# KiCad board main.kicad_pcb
title: Estoc; rev: 0.2; company: Austin Rognes
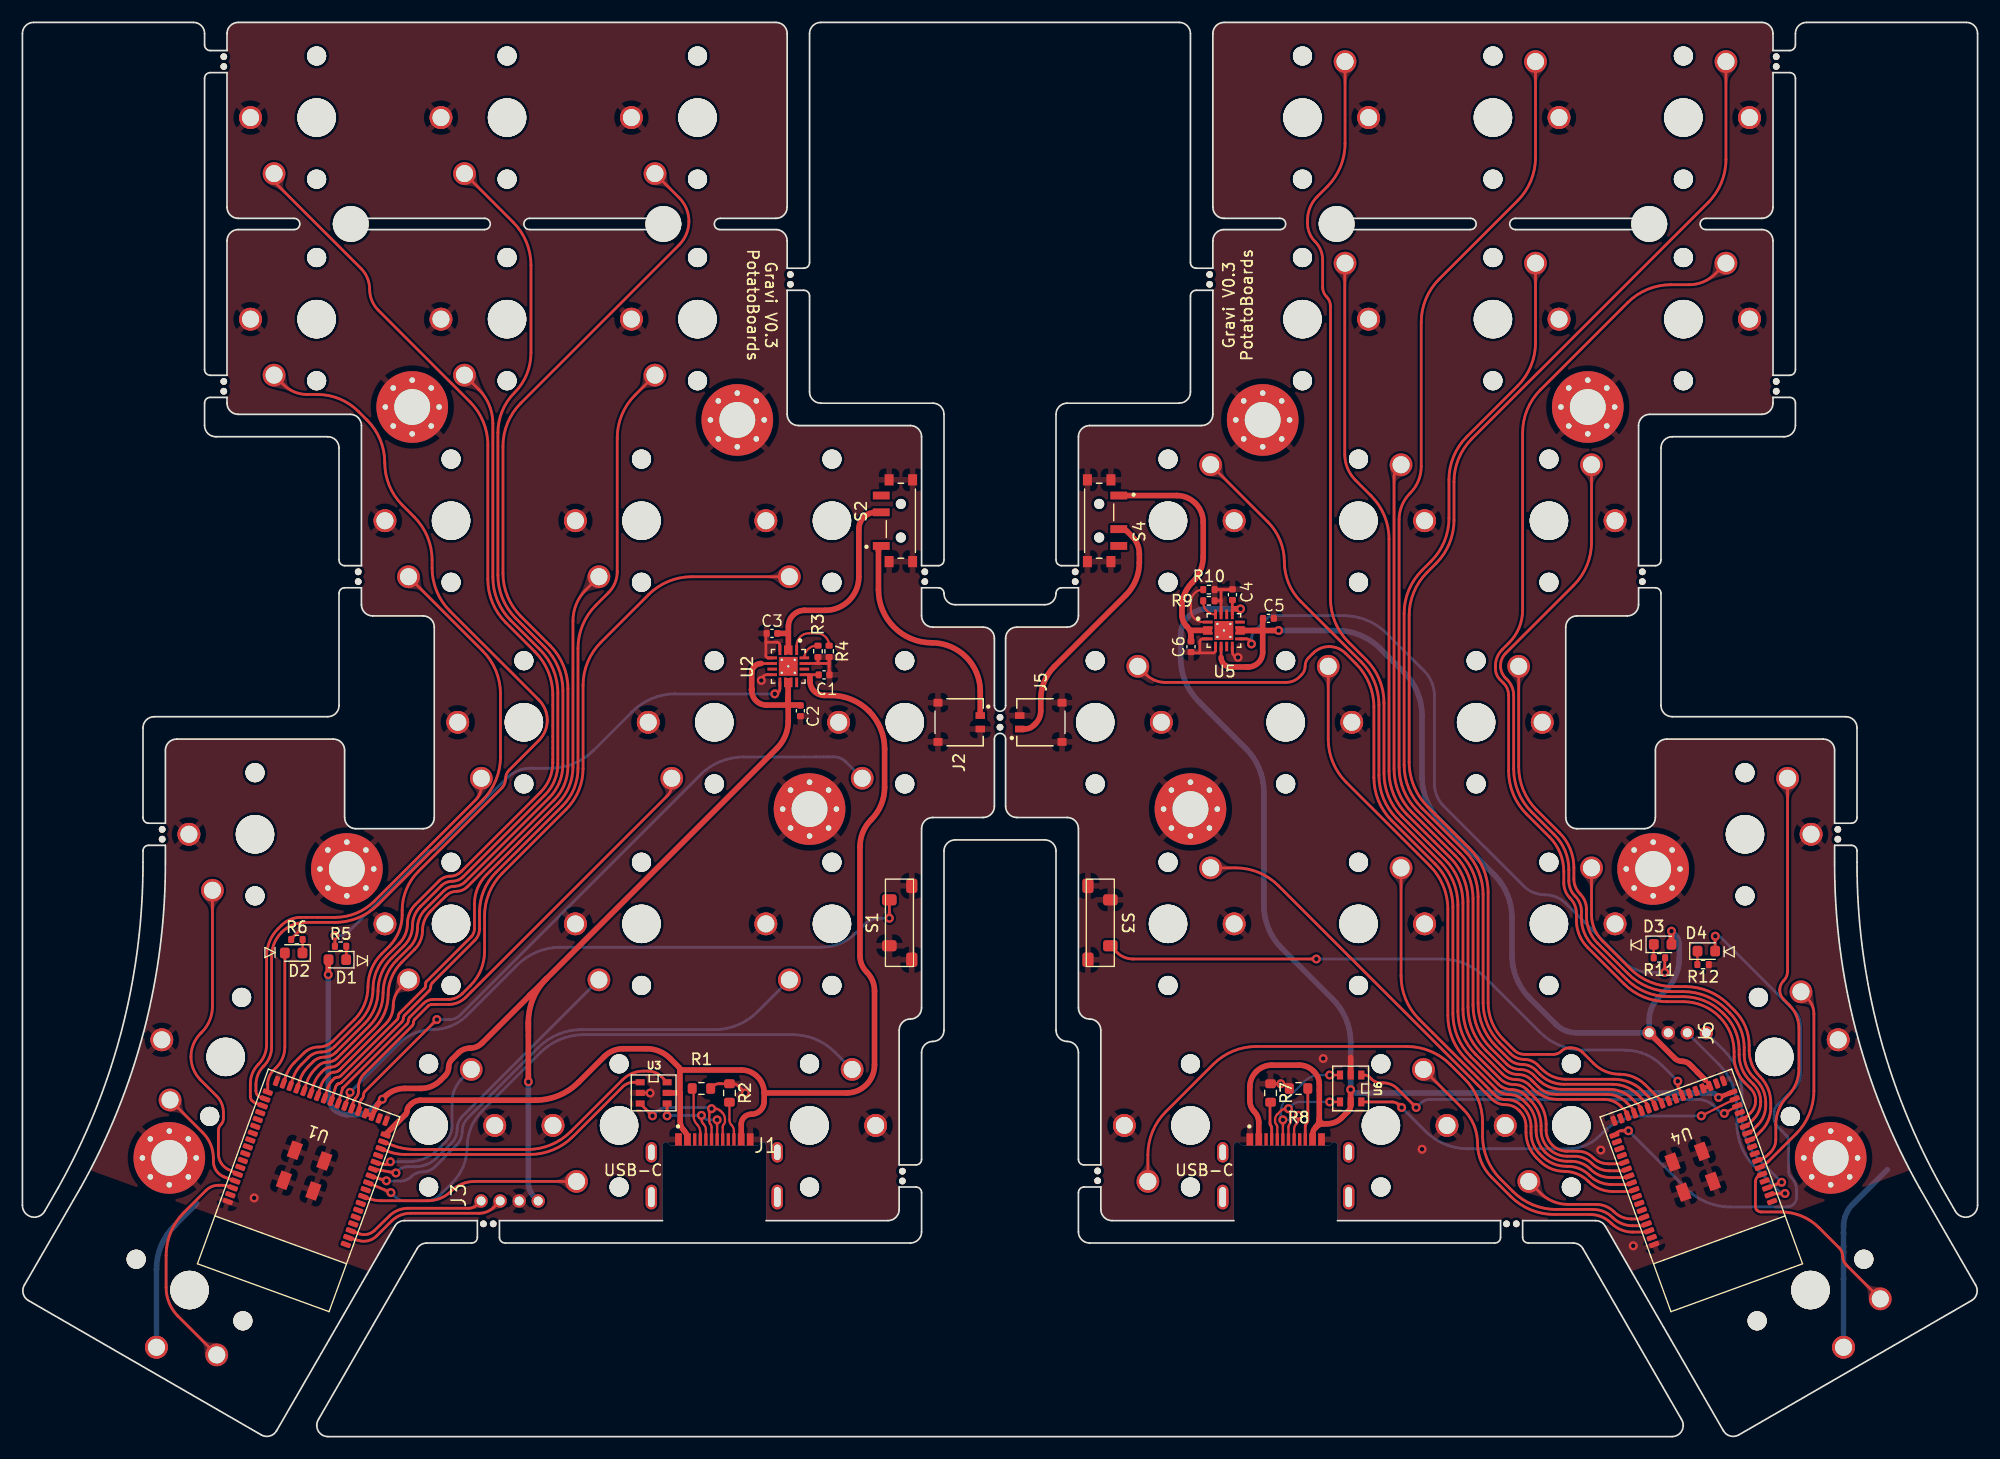
[diagram p0: board, top side]
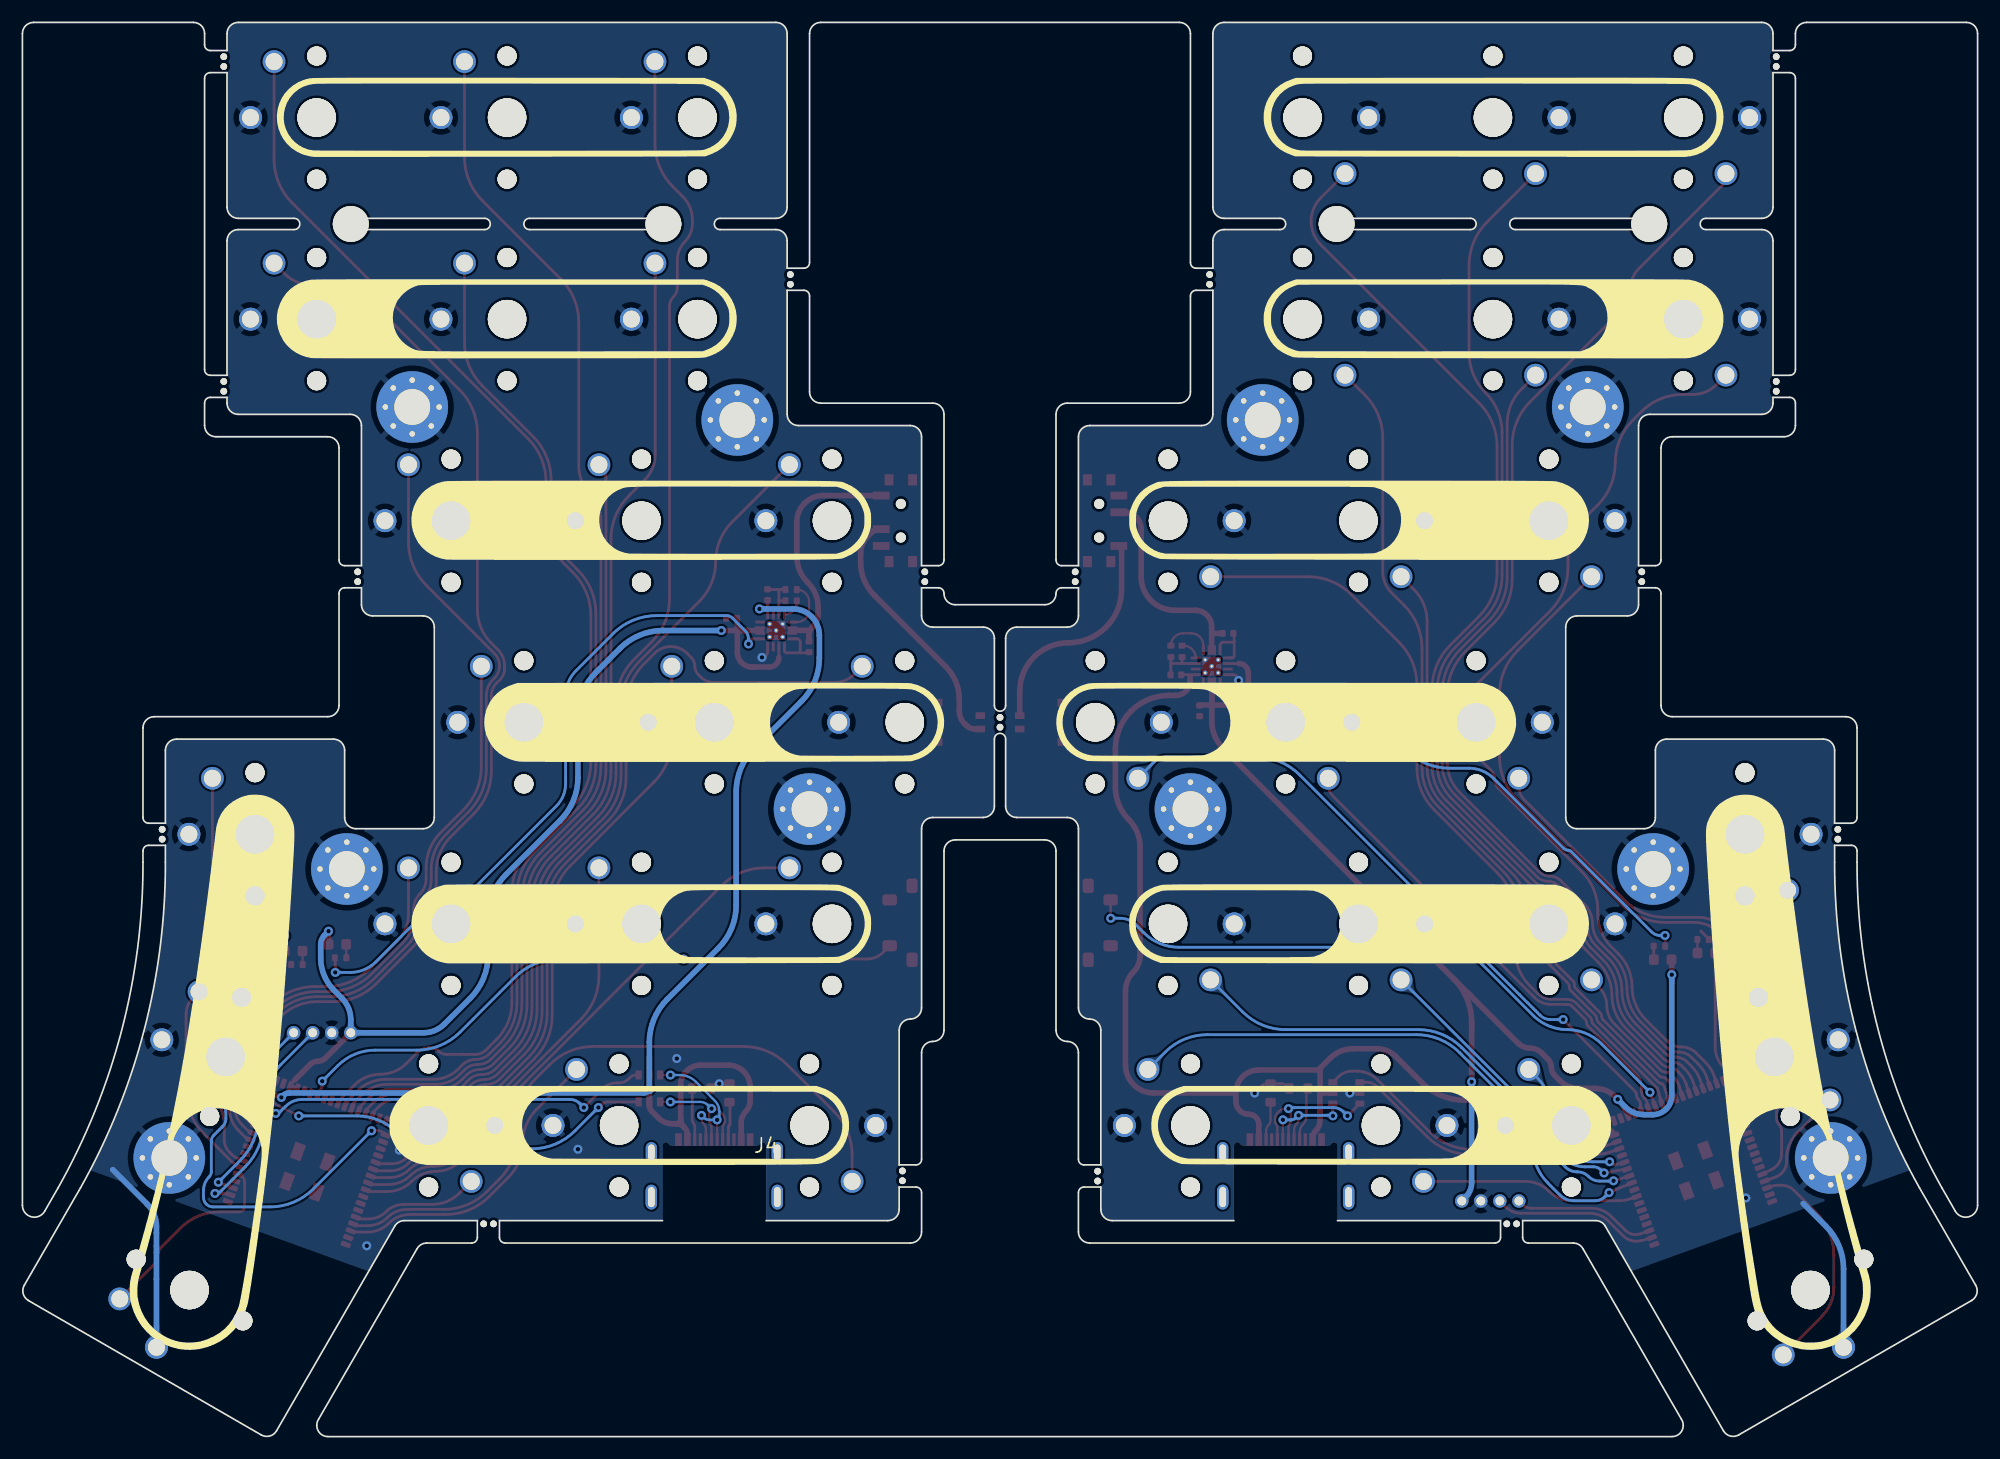
[diagram p1: board, bottom side, seen from below]

Outline 174.53 x 126.29 mm; copper layers: Top, Bottom. Coordinates in mm from the lower left corner of the outline.
Outline path: 57.14,19.29 42.58,19.29 42.58,17.79 arc(42.73,17.43) 43.1,17.29 79.26,17.29 arc(79.97,17.58) 80.26,18.29 80.26,21.77 arc(80.12,22.14) 79.76,22.29 78.26,22.29 78.26,20.29 arc(77.97,19.58) 77.26,19.29 66.38,19.29 ; 108.14,19.29 97.26,19.29 arc(96.56,19.58) 96.26,20.29 96.26,22.29 94.76,22.29 arc(94.4,22.14) 94.26,21.77 94.26,18.29 arc(94.56,17.58) 95.26,17.29 131.43,17.29 arc(131.79,17.43) 131.94,17.79 131.94,19.29 117.38,19.29 ; 0,125.29 0,20.66 arc(0.8,19.63) 2,20.15 3.18,22.21 arc(8.85,36.26) 10.76,51.29 10.76,52.29 arc(10.9,52.65) 11.26,52.8 12.76,52.8 12.76,51.29 arc(10.85,36.26) 5.18,22.21 0.17,13.52 arc(0.07,12.76) 0.54,12.15 21.31,0.16 arc(22.08,0.05) 22.69,0.52 33.23,18.78 arc(33.59,19.15) 34.1,19.29 40.61,19.29 40.61,17.79 arc(40.46,17.43) 40.1,17.29 36.1,17.29 arc(35.59,17.15) 35.23,16.78 26.45,1.58 arc(26.32,1.3) 26.27,1 arc(26.57,0.29) 27.27,0 147.25,0 arc(147.96,0.29) 148.25,1 arc(148.21,1.3) 148.07,1.58 139.3,16.78 arc(138.93,17.15) 138.43,17.29 134.43,17.29 arc(134.07,17.43) 133.92,17.79 133.92,19.29 140.43,19.29 arc(140.93,19.15) 141.3,18.78 151.84,0.52 arc(152.45,0.05) 153.21,0.16 173.99,12.15 arc(174.46,12.76) 174.36,13.52 169.34,22.21 arc(163.67,36.26) 161.76,51.29 161.76,52.8 163.26,52.8 arc(163.62,52.65) 163.76,52.29 163.76,51.29 arc(165.67,36.26) 171.34,22.21 172.53,20.15 arc(173.72,19.63) 174.53,20.66 174.52,125.29 arc(174.23,125.99) 173.52,126.29 159.26,126.29 arc(158.56,125.99) 158.26,125.29 158.26,124.29 arc(158.12,123.93) 157.76,123.77 156.26,123.77 156.26,125.29 arc(155.97,125.99) 155.26,126.29 107.26,126.29 arc(106.56,125.99) 106.26,125.29 106.26,109.79 arc(106.56,109.08) 107.26,108.79 112.25,108.79 arc(112.76,108.29) 112.25,107.79 107.26,107.79 arc(106.56,107.49) 106.26,106.79 106.26,104.34 104.76,104.34 arc(104.4,104.49) 104.26,104.85 104.26,125.29 arc(103.97,125.99) 103.26,126.29 71.26,126.29 arc(70.56,125.99) 70.26,125.29 70.26,104.85 arc(70.12,104.49) 69.76,104.34 68.26,104.34 68.26,106.79 arc(67.97,107.49) 67.26,107.79 62.28,107.79 arc(61.76,108.29) 62.28,108.79 67.26,108.79 arc(67.97,109.08) 68.26,109.79 68.26,125.29 arc(67.97,125.99) 67.26,126.29 19.26,126.29 arc(18.56,125.99) 18.26,125.29 18.26,123.77 16.76,123.77 arc(16.4,123.93) 16.26,124.29 16.26,125.29 arc(15.97,125.99) 15.26,126.29 1,126.29 arc(0.29,125.99) 0,125.29 ; 10.76,63.29 10.76,55.29 arc(10.9,54.93) 11.26,54.77 12.76,54.77 12.76,61.29 arc(13.06,61.99) 13.76,62.29 27.76,62.29 arc(28.47,61.99) 28.76,61.29 28.76,55.29 arc(29.06,54.58) 29.76,54.29 35.76,54.29 arc(36.47,54.58) 36.76,55.29 36.76,72.29 arc(36.47,72.99) 35.76,73.29 31.26,73.29 arc(30.56,73.58) 30.26,74.29 30.26,75.8 28.76,75.8 arc(28.4,75.65) 28.26,75.29 28.26,65.29 arc(27.97,64.58) 27.26,64.29 11.76,64.29 arc(11.06,63.99) 10.76,63.29 ; 16.26,121.29 16.26,95.29 arc(16.4,94.93) 16.76,94.77 18.26,94.77 18.26,106.79 arc(18.56,107.49) 19.26,107.79 24.25,107.79 arc(24.76,108.29) 24.25,108.79 19.26,108.79 arc(18.56,109.08) 18.26,109.79 18.26,121.8 16.76,121.8 arc(16.4,121.65) 16.26,121.29 ; 16.26,92.29 16.26,90.29 arc(16.56,89.58) 17.26,89.29 27.26,89.29 arc(27.97,88.99) 28.26,88.29 28.26,78.29 arc(28.4,77.93) 28.76,77.77 30.26,77.77 30.26,90.29 arc(29.97,90.99) 29.26,91.29 19.26,91.29 arc(18.56,91.58) 18.26,92.29 18.26,92.8 16.76,92.8 arc(16.4,92.65) 16.26,92.29 ; 28.28,107.79 arc(27.76,108.29) 28.28,108.79 41.25,108.79 arc(41.76,108.29) 41.25,107.79 28.28,107.79 ; 45.28,107.79 arc(44.76,108.29) 45.28,108.79 58.25,108.79 arc(58.76,108.29) 58.25,107.79 45.28,107.79 ; 68.26,102.36 68.26,91.29 arc(68.56,90.58) 69.26,90.29 79.26,90.29 arc(79.97,89.99) 80.26,89.29 80.26,77.77 81.76,77.77 arc(82.12,77.93) 82.26,78.29 82.26,91.29 arc(81.97,91.99) 81.26,92.29 71.26,92.29 arc(70.56,92.58) 70.26,93.29 70.26,101.85 arc(70.12,102.21) 69.76,102.36 68.26,102.36 ; 78.26,36.29 arc(78.56,36.99) 79.26,37.29 arc(79.97,37.58) 80.26,38.29 80.26,54.29 arc(80.56,54.99) 81.26,55.29 85.76,55.29 arc(86.47,55.58) 86.76,56.29 86.76,62.29 arc(87.26,62.8) 87.76,62.29 87.76,56.29 arc(88.06,55.58) 88.76,55.29 93.26,55.29 arc(93.97,54.99) 94.26,54.29 94.26,38.29 arc(94.56,37.58) 95.26,37.29 arc(95.97,36.99) 96.26,36.29 96.26,24.26 94.76,24.26 arc(94.4,24.41) 94.26,24.77 94.26,34.29 arc(93.97,34.99) 93.26,35.29 arc(92.56,35.58) 92.26,36.29 92.26,52.29 arc(91.97,52.99) 91.26,53.29 83.26,53.29 arc(82.56,52.99) 82.26,52.29 82.26,36.29 arc(81.97,35.58) 81.26,35.29 arc(80.56,34.99) 80.26,34.29 80.26,24.77 arc(80.12,24.41) 79.76,24.26 78.26,24.26 78.26,36.29 ; 80.26,75.8 80.26,73.29 arc(80.56,72.58) 81.26,72.29 85.76,72.29 arc(86.47,71.99) 86.76,71.29 86.76,65.29 arc(87.26,64.77) 87.76,65.29 87.76,71.29 arc(88.06,71.99) 88.76,72.29 93.26,72.29 arc(93.97,72.58) 94.26,73.29 94.26,75.8 92.76,75.8 arc(92.4,75.65) 92.26,75.29 arc(91.97,74.58) 91.26,74.29 83.26,74.29 arc(82.56,74.58) 82.26,75.29 arc(82.12,75.65) 81.76,75.8 80.26,75.8 ; 92.26,91.29 92.26,78.29 arc(92.4,77.93) 92.76,77.77 94.26,77.77 94.26,89.29 arc(94.56,89.99) 95.26,90.29 105.26,90.29 arc(105.97,90.58) 106.26,91.29 106.26,102.36 104.76,102.36 arc(104.4,102.21) 104.26,101.85 104.26,93.29 arc(103.97,92.58) 103.26,92.29 93.26,92.29 arc(92.56,91.99) 92.26,91.29 ; 116.28,107.79 arc(115.76,108.29) 116.28,108.79 129.25,108.79 arc(129.76,108.29) 129.25,107.79 116.28,107.79 ; 133.28,107.79 arc(132.76,108.29) 133.28,108.79 146.25,108.79 arc(146.76,108.29) 146.25,107.79 133.28,107.79 ; 137.76,72.29 arc(138.06,72.99) 138.76,73.29 143.26,73.29 arc(143.97,73.58) 144.26,74.29 144.26,75.8 145.76,75.8 arc(146.12,75.65) 146.26,75.29 146.26,65.29 arc(146.56,64.58) 147.26,64.29 162.76,64.29 arc(163.47,63.99) 163.76,63.29 163.76,55.29 arc(163.62,54.93) 163.26,54.77 161.76,54.77 161.76,61.29 arc(161.47,61.99) 160.76,62.29 146.76,62.29 arc(146.06,61.99) 145.76,61.29 145.76,55.29 arc(145.47,54.58) 144.76,54.29 138.76,54.29 arc(138.06,54.58) 137.76,55.29 137.76,72.29 ; 144.26,90.29 144.26,77.77 145.76,77.77 arc(146.12,77.93) 146.26,78.29 146.26,88.29 arc(146.56,88.99) 147.26,89.29 157.26,89.29 arc(157.97,89.58) 158.26,90.29 158.26,92.29 arc(158.12,92.65) 157.76,92.8 156.26,92.8 156.26,92.29 arc(155.97,91.58) 155.26,91.29 145.26,91.29 arc(144.56,90.99) 144.26,90.29 ; 150.28,107.79 arc(149.76,108.29) 150.28,108.79 155.26,108.79 arc(155.97,109.08) 156.26,109.79 156.26,121.8 157.76,121.8 arc(158.12,121.65) 158.26,121.29 158.26,95.29 arc(158.12,94.93) 157.76,94.77 156.26,94.77 156.26,106.79 arc(155.97,107.49) 155.26,107.79 150.28,107.79
Stack: Top 0.035mm / dielectric 1.51mm FR4 er 4.5 / Bottom 0.035mm

## Placement (name value [footprint] x y rotation side)
0  -  [MountingHole_3.2mm_M3_Pad_Via]  34.8 91.94 270 top
0#2  -  [MountingHole_3.2mm_M3_Pad_Via]  139.73 91.94 270 bottom
C1  CAP  [C_0402_1005Metric]  71.56 68.02 180 top
C2  CAP  [C_0402_1005Metric]  69.45 64.81 90 top
C3  CAP  [C_0402_1005Metric]  66.91 71.72 180 top
C4  CAP  [C_0402_1005Metric]  108.01 75.18 270 top
C5  CAP  [C_0402_1005Metric]  111.22 73.07 180 top
C6  CAP  [C_0402_1005Metric]  104.31 70.54 270 top
D1  LED  [LED_0603_1608Metric]  28.11 42.59 180 top
D2  LED  [LED_0603_1608Metric]  24.21 43.19 180 top
D3  LED  [LED_0603_1608Metric]  146.41 43.96 0 top
D4  LED  [LED_0603_1608Metric]  150.31 43.36 0 top
G***  -  [LOGO]  86.3 63.45 180 bottom
J1  -  [8583f098-8525-47d3-99c4-a63cf4c513a4]  66.38 25.99 0 top
J2  JST_BM02B  [JST_BM02B-ACHSS-GAN-TF(LF)(SN)]  83.61 63.79 270 top
J3  -  [unnamed#3]  38.95 21.54 270 top
J4  -  [8583f098-8525-47d3-99c4-a63cf4c513a4]  108.14 25.99 180 bottom
J5  JST_BM02B  [JST_BM02B-ACHSS-GAN-TF(LF)(SN)]  90.91 63.79 90 top
J6  -  [unnamed#2]  150.31 36.06 90 top
NOREF  -  [unnamed]  156.55 93.35 0 top
NOREF#2  -  [unnamed]  162.05 53.35 0 top
NOREF#3  -  [unnamed#2]  145.21 36.06 90 top
NOREF#4  -  [unnamed]  87.25 64.22 0 top
NOREF#5  -  [unnamed]  95.97 23.72 0 top
NOREF#6  -  [unnamed]  29.97 76.35 0 top
NOREF#7  -  [unnamed]  144.6 76.35 0 top
NOREF#8  -  [unnamed]  132.47 19 90 top
NOREF#9  -  [unnamed]  156.55 123.22 0 top
NOREF#10  -  [unnamed]  105.97 103.77 0 top
NOREF#11  -  [unnamed]  42.02 19 90 top
NOREF#12  -  [unnamed]  80.55 77.22 0 top
NOREF#13  -  [unnamed]  68.55 102.9 0 top
NOREF#14  -  [unnamed]  17.97 93.35 0 top
NOREF#15  -  [unnamed]  29.97 77.22 0 top
NOREF#16  -  [unnamed]  93.97 76.35 0 top
NOREF#17  -  [unnamed]  156.55 94.22 0 top
NOREF#18  -  [unnamed]  12.47 54.22 0 top
NOREF#19  -  [unnamed]  78.55 22.82 0 top
NOREF#20  -  [unnamed]  78.55 23.7 0 top
NOREF#21  -  [unnamed]  87.25 63.35 0 top
NOREF#22  -  [unnamed]  17.97 122.35 0 top
NOREF#23  -  [unnamed]  156.55 122.35 0 top
NOREF#24  -  [unnamed]  144.6 77.22 0 top
NOREF#25  -  [unnamed#2]  148.61 36.06 90 top
NOREF#26  -  [unnamed]  95.97 22.85 0 top
NOREF#27  -  [unnamed]  133.35 19 90 top
NOREF#28  -  [unnamed]  105.97 102.9 0 top
NOREF#29  -  [unnamed]  93.97 77.22 0 top
NOREF#30  -  [unnamed#3]  40.65 21.54 270 top
NOREF#31  -  [unnamed]  17.97 94.22 0 top
NOREF#32  -  [unnamed#2]  146.91 36.06 90 top
NOREF#33  -  [unnamed#3]  42.35 21.54 270 top
NOREF#34  -  [unnamed]  41.15 19 90 top
NOREF#35  -  [unnamed]  80.55 76.35 0 top
NOREF#36  -  [unnamed]  12.47 53.35 0 top
NOREF#37  -  [unnamed#3]  44.05 21.54 270 top
NOREF#38  -  [unnamed]  17.97 123.22 0 top
NOREF#39  -  [unnamed]  162.05 54.22 0 top
NOREF#40  -  [unnamed]  68.55 103.77 0 top
R1  RES  [R_0603_1608Metric]  60.61 31.09 0 top
R2  RES  [R_0603_1608Metric]  63.11 30.69 90 top
R3  RES  [R_0402_1005Metric]  71.01 70.12 90 top
R4  RES  [R_0402_1005Metric]  72.01 70.12 90 top
R5  RES  [R_0402_1005Metric]  28.4 43.79 180 top
R6  RES  [R_0402_1005Metric]  24.5 44.39 180 top
R7  RES  [R_0603_1608Metric]  111.41 30.69 90 top
R8  RES  [R_0603_1608Metric]  113.91 31.09 180 top
R9  RES  [R_0402_1005Metric]  105.91 74.64 180 top
R10  RES  [R_0402_1005Metric]  105.91 75.64 180 top
R11  RES  [R_0402_1005Metric]  146.12 42.76 0 top
R12  RES  [R_0402_1005Metric]  150.02 42.16 0 top
REF**  -  [MountingHole_3.2mm_M3]  57.21 108.79 270 top
REF**#2  -  [MountingHole_3.2mm_M3]  29.31 108.79 270 top
REF**#3  -  [MountingHole_3.2mm_M3_Pad_Via]  28.96 50.69 270 top
REF**#4  Hole  [MountingHole_3.2mm_M3_Pad_Via]  70.26 56.04 270 top
REF**#5  -  [MountingHole_3.2mm_M3_Pad_Via]  63.81 90.79 270 top
REF**#6  -  [MountingHole_3.2mm_M3_Pad_Via]  13.11 24.89 270 top
REF**#7  -  [MountingHole_3.2mm_M3]  117.31 108.79 270 bottom
REF**#8  Hole  [MountingHole_3.2mm_M3_Pad_Via]  104.26 56.04 270 bottom
REF**#9  -  [MountingHole_3.2mm_M3_Pad_Via]  145.56 50.69 270 bottom
REF**#10  -  [MountingHole_3.2mm_M3]  145.21 108.79 270 bottom
REF**#11  -  [MountingHole_3.2mm_M3_Pad_Via]  110.71 90.79 270 bottom
REF**#12  -  [MountingHole_3.2mm_M3_Pad_Via]  161.41 24.89 270 bottom
S1  -  [TL3330AF260QG]  77.04 41.98 90 top
S1#2  -  [PG1350]  78.76 63.79 90 bottom
S1#3  -  [PG1350]  72.26 45.79 90 bottom
S1#4  -  [PG1350]  148.26 99.79 270 bottom
S1#5  -  [PG1350]  114.26 117.79 270 bottom
S1#6  -  [PG1350]  102.26 45.79 270 bottom
S1#7  -  [PG1350]  26.26 99.79 90 bottom
S1#8  -  [PG1350]  138.26 27.79 90 bottom
S1#9  -  [PG1350]  153.76 53.79 270 bottom
S1#10  -  [PG1350]  70.26 27.79 270 bottom
S1#11  -  [PG1350]  14.92 13.09 150 bottom
S1#12  -  [PG1350]  60.26 99.79 90 bottom
S1#13  -  [PG1350]  159.61 13.09 210 bottom
S1#14  -  [PG1350]  119.26 81.79 270 bottom
S1#15  -  [PG1350]  121.26 27.79 270 bottom
S1#16  -  [PG1350]  20.76 53.79 90 bottom
S1#17  -  [PG1350]  129.76 63.79 270 bottom
S1#18  -  [PG1350]  18.14 33.91 75 bottom
S1#19  -  [PG1350]  148.26 117.79 270 bottom
S1#20  -  [PG1350]  95.76 63.79 270 bottom
S1#21  -  [PG1350]  38.26 45.79 90 bottom
S1#22  -  [PG1350]  36.26 27.79 270 bottom
S1#23  -  [PG1350]  55.26 45.79 90 bottom
S1#24  -  [PG1350]  136.26 45.79 270 bottom
S1#25  -  [PG1350]  112.76 63.79 270 bottom
S1#26  -  [PG1350]  53.26 27.79 90 bottom
S1#27  -  [PG1350]  72.26 81.79 90 bottom
S1#28  -  [PG1350]  60.26 117.79 90 bottom
S1#29  -  [PG1350]  156.38 33.91 285 bottom
S1#30  -  [PG1350]  61.76 63.79 90 bottom
S1#31  -  [PG1350]  55.26 81.79 90 bottom
S1#32  -  [PG1350]  114.26 99.79 270 bottom
S1#33  -  [PG1350]  104.26 27.79 90 bottom
S1#34  -  [PG1350]  131.26 99.79 270 bottom
S1#35  -  [PG1350]  38.26 81.79 90 bottom
S1#36  -  [PG1350]  119.26 45.79 270 bottom
S1#37  -  [PG1350]  26.26 117.79 90 bottom
S1#38  -  [PG1350]  43.26 117.79 90 bottom
S1#39  -  [PG1350]  136.26 81.79 270 bottom
S1#40  -  [PG1350]  44.76 63.79 90 bottom
S1#41  -  [PG1350]  131.26 117.79 270 bottom
S1#42  -  [PG1350]  43.26 99.79 90 bottom
S1#43  -  [PG1350]  102.26 81.79 270 bottom
S2  -  [SW_EG1215AA]  78.41 81.79 90 top
S3  -  [TL3330AF260QG]  97.46 49.78 270 top
S4  -  [SW_EG1215AA]  96.11 81.79 270 top
SW1  -  [PG1350_Mill_Max]  60.26 117.79 270 bottom
SW2  -  [PG1350_Mill_Max]  60.26 99.79 270 bottom
SW3  -  [PG1350_Mill_Max]  72.26 81.79 270 bottom
SW4  -  [PG1350_Mill_Max]  78.76 63.79 270 bottom
SW5  -  [PG1350_Mill_Max]  72.26 45.79 270 bottom
SW6  -  [PG1350_Mill_Max]  70.26 27.79 90 bottom
SW7  -  [PG1350_Mill_Max]  43.26 117.79 270 bottom
SW8  -  [PG1350_Mill_Max]  43.26 99.79 270 bottom
SW9  -  [PG1350_Mill_Max]  55.26 81.79 270 bottom
SW10  -  [PG1350_Mill_Max]  61.76 63.79 270 bottom
SW11  -  [PG1350_Mill_Max]  55.26 45.79 270 bottom
SW12  -  [PG1350_Mill_Max]  53.26 27.79 270 bottom
SW13  -  [PG1350_Mill_Max]  26.26 117.79 270 bottom
SW14  -  [PG1350_Mill_Max]  26.26 99.79 270 bottom
SW15  -  [PG1350_Mill_Max]  38.26 81.79 270 bottom
SW16  -  [PG1350_Mill_Max]  44.76 63.79 270 bottom
SW17  -  [PG1350_Mill_Max]  38.26 45.79 270 bottom
SW18  -  [PG1350_Mill_Max]  36.26 27.79 90 bottom
SW19  -  [PG1350_Mill_Max]  20.76 53.79 270 bottom
SW20  -  [PG1350_Mill_Max]  18.14 33.91 255 bottom
SW21  -  [PG1350_Mill_Max]  14.92 13.09 330 bottom
SW22  -  [PG1350_Mill_Max]  114.26 117.79 90 bottom
SW23  -  [PG1350_Mill_Max]  114.26 99.79 90 bottom
SW24  -  [PG1350_Mill_Max]  102.26 81.79 90 bottom
SW25  -  [PG1350_Mill_Max]  95.76 63.79 90 bottom
SW26  -  [PG1350_Mill_Max]  102.26 45.79 90 bottom
SW27  -  [PG1350_Mill_Max]  104.26 27.79 270 bottom
SW28  -  [PG1350_Mill_Max]  131.26 117.79 90 bottom
SW29  -  [PG1350_Mill_Max]  131.26 99.79 90 bottom
SW30  -  [PG1350_Mill_Max]  119.26 81.79 90 bottom
SW31  -  [PG1350_Mill_Max]  112.76 63.79 90 bottom
SW32  -  [PG1350_Mill_Max]  119.26 45.79 90 bottom
SW33  -  [PG1350_Mill_Max]  121.26 27.79 90 bottom
SW34  -  [PG1350_Mill_Max]  148.26 117.79 90 bottom
SW35  -  [PG1350_Mill_Max]  148.26 99.79 90 bottom
SW36  -  [PG1350_Mill_Max]  136.26 81.79 90 bottom
SW37  -  [PG1350_Mill_Max]  129.76 63.79 90 bottom
SW38  -  [PG1350_Mill_Max]  136.26 45.79 90 bottom
SW39  -  [PG1350_Mill_Max]  138.26 27.79 270 bottom
SW40  -  [PG1350_Mill_Max]  153.76 53.79 90 bottom
SW41  -  [PG1350_Mill_Max]  156.38 33.91 105 bottom
SW42  -  [PG1350_Mill_Max]  159.61 13.09 30 bottom
U1  -  [MS88SF3_Min]  24.66 21.99 160 top
U2  BQ24075  [QFN50P300X300X100-17N]  68.36 68.79 270 top
U3  -  [SOT-457]  56.35 30.69 0 top
U4  -  [MS88SF3_Min]  149.86 21.99 200 top
U5  BQ24075  [QFN50P300X300X100-17N]  107.25 71.99 0 top
U6  -  [SOT-457]  118.56 31.09 270 top
USB-C  USB-C  [MOLEX_2169900003]  112.76 21.39 0 top
USB-C#2  USB-C  [MOLEX_2169900003]  61.76 21.39 0 top

## Footprints (pads in the part's own frame, mm; a bottom-side part is the same pattern mirrored in y, then rotated)
C_0402_1005Metric
  rrect 0.56x0.62 smd: 1(-0.48,0) 2(0.48,0)
JST_BM02B-ACHSS-GAN-TF(LF)(SN)
  rect 0.6x0.85 smd: 1(-0.6,1.887) 2(0.6,1.887)
  rect 0.7x0.8 smd: S1(-1.75,-1.887) S2(1.75,-1.887)
LED_0603_1608Metric
  rrect 0.875x0.95 smd: 1(-0.787,0) 2(0.787,0)
MOLEX_2169900003
  rect 0.6x1.1 smd: A1_B12(-3.2,5.15) A4_B9(-2.4,5.15) B1_A12(3.2,5.15) B4_A9(2.4,5.15)
  rect 0.3x1.1 smd: A5(-1.25,5.15) A6(-0.25,5.15) A7(0.25,5.15) A8(1.25,5.15) B5(1.75,5.15) B6(0.75,5.15) B7(-0.75,5.15) B8(-1.75,5.15)
  oval 1x2 hole 0.6x1.8: S1(-5.62,0) S2(5.62,0)
  oval 0.9x1.8 hole 0.6x1.4: S3(-5.62,4) S4(5.62,4)
MountingHole_3.2mm_M3
  round 3.2 hole 3.2 unplated: (0.5,0)
MountingHole_3.2mm_M3_Pad_Via
  round 0.8 hole 0.5: 1(-2.4,0) 1(-1.697,1.697) 1(-1.697,-1.697) 1(0,2.4) 1(0,-2.4) 1(1.697,1.697) 1(1.697,-1.697) 1(2.4,0)
  round 6.4 hole 3.2: 1(0,0)
MS88SF3_Min
  rrect 0.9x0.45 smd: 1(5.6,3.1) 2(5.6,2.45) 3(5.6,1.8) 4(5.6,1.15) 5(5.6,0.5) 6(5.6,-0.15) 7(5.6,-0.8) 8(5.6,-1.45) 9(5.6,-2.1) 10(5.6,-2.75) 11(5.6,-3.4) 12(5.6,-4.05) 13(5.6,-4.7) 14(5.6,-5.35) 15(5.6,-6) 16(5.6,-6.65) 17(5.6,-7.3) 35(-5.6,-7.3) 36(-5.6,-6.65) 37(-5.6,-6) 38(-5.6,-5.35) 39(-5.6,-4.7) 40(-5.6,-4.05) 41(-5.6,-3.4) 42(-5.6,-2.75) 43(-5.6,-2.1) 44(-5.6,-1.45) 45(-5.6,-0.8) 46(-5.6,-0.15) 47(-5.6,0.5) 48(-5.6,1.15) 49(-5.6,1.8) 50(-5.6,2.45) 51(-5.6,3.1)
  rrect 0.45x0.9 smd: 18(5.2,-8.5) 19(4.55,-8.5) 20(3.9,-8.5) 21(3.25,-8.5) 22(2.6,-8.5) 23(1.95,-8.5) 24(1.3,-8.5) 25(0.65,-8.5) 26(0,-8.5) 27(-0.65,-8.5) 28(-1.3,-8.5) 29(-1.95,-8.5) 30(-2.6,-8.5) 31(-3.25,-8.5) 32(-3.9,-8.5) 33(-4.55,-8.5) 34(-5.2,-8.5)
  rect 1x1.5 smd: 61(-1.25,-0.4) 62(-1.25,-3.25) 63(1.55,-3.25) 64(1.55,-0.4)
PG1350
  round 1.702 hole 1.702 unplated: (-5.5,0) (5.5,0)
  round 3.429 hole 3.429 unplated: (0,0)
PG1350_Mill_Max
  round 1.702 hole 1.702 unplated: (-5.5,0) (5.5,0)
  round 3.429 hole 3.429 unplated: (0,0)
  round 2.032 hole 1.524: 1(5,3.8) 2(0,5.9)
  round 2.032 hole 1.27: 2(0,5.9)
QFN50P300X300X100-17N
  rrect 0.86x0.26 smd: 1(-1.435,0.75) 2(-1.435,0.25) 3(-1.435,-0.25) 4(-1.435,-0.75) 9(1.435,-0.75) 10(1.435,-0.25) 11(1.435,0.25) 12(1.435,0.75)
  rrect 0.26x0.86 smd: 5(-0.75,-1.435) 6(-0.25,-1.435) 7(0.25,-1.435) 8(0.75,-1.435) 13(0.75,1.435) 14(0.25,1.435) 15(-0.25,1.435) 16(-0.75,1.435)
  rect 1.68x1.68 smd: 17(0,0)
  round 0.4 hole 0.2: 18(0,0) 19(-0.58,0.58) 20(0.58,0.58) 21(-0.58,-0.58) 22(0.58,-0.58)
R_0402_1005Metric
  rrect 0.54x0.64 smd: 1(-0.51,0) 2(0.51,0)
R_0603_1608Metric
  rrect 0.8x0.95 smd: 1(-0.825,0) 2(0.825,0)
SOT-457
  rect 0.8x0.55 smd: 1(-1.2,0.95) 2(-1.2,0) 3(-1.2,-0.95) 4(1.2,-0.95) 5(1.2,0) 6(1.2,0.95)
SW_EG1215AA
  round 0.9 hole 0.9 unplated: (-1.5,0) (1.5,0)
  rect 0.7x1.5 smd: 1(-2.25,1.75) 2(0.75,1.75) 3(2.25,1.75)
  rect 1x0.8 smd: S1(-3.65,1.05) S2(-3.65,-1.05) S3(3.65,-1.05) S4(3.65,1.05)
TL3330AF260QG
  rrect 1x1.3 smd: 1(1.85,-0.35) 2(5.95,-0.35)
  rrect 1.3x1 smd: 3(7.2,-2.35) 4(0.6,-2.35)
unnamed
  round 0.6 hole 0.6: 1(0,0)
unnamed#2
  round 1.2 hole 0.8: (0,0)
unnamed#3
  round 1.2 hole 0.8: (0.5,2)

## Nets
GND: 0.1 0#2.1 C1.1 C2.1 C3.2 C4.1 C5.1 C6.2 J2.2 J2.S1 J2.S2 J5.2 J5.S1 J5.S2 NOREF#32. NOREF#33. R1.2 R2.2 R3.1 R4.1 R6.2 R7.2 R8.2 R9.1 R10.1 R12.2 REF**#3.1 REF**#4.1 REF**#5.1 REF**#6.1 REF**#8.1 REF**#9.1 REF**#11.1 REF**#12.1 S1.1 S1.3 S1.4 S2.S1 S2.S2 S2.S3 S2.S4 S3.1 S3.3 S3.4 S4.S1 S4.S2 S4.S3 S4.S4 SW1.2 SW2.2 SW3.2 SW4.2 SW5.2 SW6.2 SW7.2 SW8.2 SW9.2 SW10.2 SW11.2 SW12.2 SW13.2 SW14.2 SW15.2 SW16.2 SW17.2 SW18.2 SW19.2 SW20.2 SW21.2 SW22.2 SW23.2 SW24.2 SW25.2 SW26.2 SW27.2 SW28.2 SW29.2 SW30.2 SW31.2 SW32.2 SW33.2 SW34.2 SW35.2 SW36.2 SW37.2 SW38.2 SW39.2 SW40.2 SW41.2 SW42.2 U1.1 U1.18 U1.34 U1.61 U1.62 U1.63 U1.64 U2.17 U2.19 U3.2 U4.1 U4.18 U4.34 U4.61 U4.62 U4.63 U4.64 U5.17 U5.19 U6.2 USB-C.A1_B12 USB-C.B1_A12 USB-C#2.A1_B12 USB-C#2.B1_A12
VBAT: C3.1 C6.1 J2.1 J5.1 S2.1 S2.2 S4.1 S4.2 U5.2 U5.3
VBUS: C1.2 C4.2 U3.5 U4.35 U6.5 USB-C.A4_B9 USB-C.B4_A9 USB-C#2.A4_B9 USB-C#2.B4_A9
VDDH: C2.2 C5.2 D1.2 D3.2 NOREF#3. NOREF#37. U1.31 U1.32 U4.31 U4.32 U5.10 U5.11
CHG: D1.1 R5.1 R5.2 R11.2
D+: U3.3 U6.3 USB-C.A6 USB-C.B6 USB-C#2.A6 USB-C#2.B6
D+ESD: U3.1 U4.37 U6.1
D-: U3.4 U6.4 USB-C.A7 USB-C.B7 USB-C#2.A7 USB-C#2.B7
D-ESD: U3.6 U4.36 U6.6
K1: SW1.1 SW22.1 U4.20
K2: SW2.1 SW23.1 U1.26 U4.21
K3: SW3.1 SW24.1 U1.27 U4.13
K4: SW4.1 SW25.1 U1.30 U4.12
K5: SW5.1 SW26.1 U4.9
K6: SW6.1 SW27.1 U4.4
K7: SW7.1 SW28.1 U4.23
K8: SW8.1 SW29.1 U4.24
K9: SW9.1 SW30.1 U1.25 U4.22
K10: SW10.1 SW31.1 U1.29 U4.11
K11: SW11.1 SW32.1 U4.10
K12: SW12.1 SW33.1 U4.3
K13: SW13.1 SW34.1 U4.25
K14: SW14.1 SW35.1 U4.39
K15: SW15.1 SW36.1 U4.40
K16: SW16.1 SW37.1 U4.41
K17: SW17.1 SW38.1 U1.24 U4.42
K18: SW18.1 SW39.1 U4.5
K19: SW19.1 SW40.1 U4.45
K20: SW20.1 SW41.1 U4.46
K21: SW21.1 SW42.1 U4.47
RST: S1.2 S3.2 U4.28
STATUS: D2.2 D4.2 U4.17
SWCLK: NOREF#25. NOREF#30. U4.50
SWIO: J3. J6. U4.49

Pads without a net: D2 1; D3 1; D4 1; NOREF 1; NOREF#2 1; NOREF#4 1; NOREF#5 1; NOREF#6 1; NOREF#7 1; NOREF#8 1; NOREF#9 1; NOREF#10 1; NOREF#11 1; NOREF#12 1; NOREF#13 1; NOREF#14 1; NOREF#15 1; NOREF#16 1; NOREF#17 1; NOREF#18 1; NOREF#19 1; NOREF#20 1; NOREF#21 1; NOREF#22 1; NOREF#23 1; NOREF#24 1; NOREF#26 1; NOREF#27 1; NOREF#28 1; NOREF#29 1; NOREF#31 1; NOREF#34 1; NOREF#35 1; NOREF#36 1; NOREF#38 1; NOREF#39 1; NOREF#40 1; R1 1; R2 1; R3 2; R4 2; R6 1; R7 1; R8 1; R9 2; R10 2; R11 1; R12 1; S2 3; S4 3; U1 2 3 4 5 6 7 8 9 10 11 12 13 14 15 16 17 19 20 21 22 23 28 33 35 36 37 38 39 40 41 42 43 44 45 46 47 48 49 50 51; U2 1 2 3 4 5 6 7 8 9 10 11 12 13 14 15 16 18 20 21 22; U4 2 6 7 8 14 15 16 19 26 27 29 30 33 38 43 44 48 51; U5 1 4 5 6 7 8 9 12 13 14 15 16 18 20 21 22; USB-C A5 A8 B5 B8 S1 S2 S3 S4; USB-C#2 A5 A8 B5 B8 S1 S2 S3 S4

## Via types
v1: diameter 0.8, hole 0.4, Top to Bottom, 49 vias

## Routing (per net, layer and track width the routed paths; a pad name or vN(x,y) marks a point on that pad's centre or on a via; arc(x,y) is an arc through that point)
GND: length 68.5
  Top w0.2: 105.81,72.74 105.38,72.74 arc(104.62,73.06) 104.3,73.82 104.3,74.53 arc(104.62,75.31) 105.4,75.64
  Top w0.25: C6.2 104.35,70.02 arc(104.38,70) 104.43,69.99 105.06,69.99 ; R8.2 112.78,31.39 arc(112.65,31.48) 112.49,31.51 v1(112.32,31.51) R7.2 ; U3.2 55.15,30.69 arc(55.16,30.68) 55.16,30.68 v1(56.03,30.68) ; 24.7,45.15 24.03,44.48 arc(24,44.44) R6.2 ; R9.1 106.94,74.64 arc(106.96,74.64) 106.98,74.65 ; 105.81,71.24 105.36,71.24 arc(105.18,71.16) 105.1,70.97 105.1,70.02 arc(105.09,70) 105.06,69.99 ; 69.8,69.04 70.3,69.04 arc(70.55,69.04) 70.8,69.04 71.02,69.04 ; C4.1 108,75.65 arc(107.98,75.64) 107.97,75.64 R10.1 ; R3.1 71.01,69.1 arc(71.02,69.08) 71.03,69.06 ; 107,73.42 106.99,73.92 arc(106.99,74.17) 106.99,74.42 106.99,74.65 ; 108,70.55 108,70.1 arc(108.15,69.73) v1(108.51,69.58) ; C3.2 66.4,71.69 arc(66.37,71.65) 66.36,71.61 66.36,70.97 ; 105.06,69.99 106.31,69.99 arc(106.44,70.04) 106.5,70.17 106.5,70.55 ; v1(64.53,30.68) 63.91,31.3 arc(63.68,31.46) 63.41,31.51 62.16,31.51 arc(61.89,31.46) 61.65,31.3 R1.2 ; 66.36,70.97 66.36,69.72 arc(66.42,69.59) 66.55,69.54 66.93,69.54 ; 66.36,70.97 arc(66.37,70.95) 66.4,70.94 67.35,70.94 arc(67.53,70.86) 67.61,70.67 67.61,70.22 ; 106.99,74.69 106.99,74.65 ; 106.99,74.69 106.99,75.62 ; 106.99,74.69 arc(106.99,74.67) 106.98,74.65 ; 106.99,74.65 arc(106.99,74.66) 106.98,74.65 ; 137.01,99.64 SW29.2 ; 71.02,69.04 71.07,69.04 ; 71.02,69.04 arc(71.03,69.05) 71.03,69.06 ; SW25.2 101.04,63.16 ; SW23.2 119.71,99.79 ; R4.1 72.01,68.07 arc(72.02,68.05) 72.03,68.04 C1.1 ; 66.93,68.04 66.47,68.04 arc(66.11,67.89) v1(65.96,67.52) ; 71.07,69.04 71.99,69.04 ; 71.07,69.04 arc(71.05,69.05) 71.03,69.06
  Top w0.5: U6.2 118.56,33.86
  Bottom w0.25: SW4.2 73.49,63.16 ; SW2.2 54.81,99.79 ; 37.51,99.64 SW8.2
  Bottom w0.5: SW42.2 162.56,18.76 arc(162.77,19.84) 163.39,20.76 166.46,23.84 ; SW21.2 11.97,14.96 arc(12.38,17.05) 13.56,18.81 15.56,20.81
  vias: v1(20.69,21.31) v1(116.11,33.76) v1(124.94,25.66) v1(140.89,25.59) v1(143.79,17.04)
VBAT: length 84.8
  Top w0.5: J5.1 89.49,63.19 arc(89.91,63.27) 90.28,63.51 90.42,63.66 arc(90.78,64.19) 90.9,64.81 90.9,65.84 arc(91.21,67.42) 92.11,68.76 98.5,75.15 arc(99.39,76.48) 99.7,78.05 99.7,78.84 arc(99.53,79.68) 99.06,80.39 98.61,80.84 arc(98.39,80.99) 98.14,81.04 S4.2 ; S2.2 76.16,82.54 arc(75.1,82.1) 74.66,81.04 74.66,76.78 arc(73.79,74.66) 71.67,73.79 69.82,73.79 arc(68.8,73.36) 68.37,72.34 68.37,70.08 ; 68.36,71.72 C3.1 ; J2.1 85.5,66.55 arc(84.23,69.62) 81.16,70.89 arc(77.8,72.28) 76.41,75.64 76.41,79.11 arc(76.44,79.27) 76.54,79.41 S2.1 ; C6.1 104.31,71.5 arc(104.22,71.95) 103.97,72.33 103.91,72.39 arc(103.61,72.84) 103.5,73.37 103.5,74.07 arc(103.73,75.25) 104.4,76.25 104.45,76.3 arc(105.15,77.35) 105.4,78.59 105.4,81.67 arc(105.22,82.58) 104.71,83.34 arc(103.94,83.86) 103.03,84.04 S4.1 ; 104.3,72 105.96,72
VBUS: length 216.9
  Top w0.25: C4.2 108,74.7 arc(108,74.69) 108,74.68 108,73.42 ; C1.2 71.07,68.03 arc(71.07,68.04) 71.06,68.04 69.8,68.04
  Top w0.4: v1(151.41,30.29) U4.35
  Top w0.5: 66.21,30.69 73.56,30.69 arc(75.33,31.42) 76.06,33.19 76.06,39.8 arc(75.88,40.71) 75.36,41.49 arc(74.92,42.15) 74.76,42.94 74.76,52.67 arc(75.02,53.98) 75.76,55.09 arc(76.65,56.42) 76.96,57.98 76.96,61.41 arc(76.6,63.24) 75.56,64.79 arc(74.01,65.82) 72.18,66.19 71.59,66.19 arc(70.67,66.56) 70.3,67.48 70.3,67.89 ; 66.21,30.69 66.21,29.94 arc(65.88,29.12) 65.06,28.79 arc(64.43,28.52) 64.16,27.89 USB-C#2.B4_A9 ; 66.21,30.69 arc(65.61,32.14) 64.16,32.74 58.77,32.74 ; USB-C.B4_A9 115.16,26.94 arc(115.24,27.31) 115.45,27.62 115.46,27.64 ; 116.19,27.94 116.5,27.94 arc(117.18,28.07) 117.76,28.46 118.34,29.04 arc(118.51,29.29) 118.56,29.58 U6.5 v1(118.56,30.99) ; 116.19,27.94 arc(115.79,27.86) 115.46,27.64 ; 116.19,27.94 arc(115.89,28.06) 115.76,28.36 ; 115.76,28.36 115.76,30.94 ; 115.76,28.36 arc(115.68,27.97) 115.46,27.64 ; 58.7,30.7 58.7,32.66 ; 58.7,30.7 arc(58.7,30.69) 58.7,30.68 ; 58.7,30.7 arc(58.69,30.7) 58.68,30.69 ; 58.7,32.66 58.7,32.82 ; 58.7,32.66 arc(58.72,32.71) 58.77,32.74 ; 32.42,26.99 34.19,28.76 arc(34.31,28.93) 34.35,29.13 arc(34.38,29.33) 34.5,29.49 34.7,29.69 arc(35.08,29.95) 35.54,30.04 45.79,30.04 arc(47.87,30.46) 49.64,31.64 51.94,33.94 arc(52.72,34.46) 53.62,34.64 55.72,34.64 arc(56.86,34.41) 57.82,33.77 58.64,32.95 arc(58.68,32.89) 58.7,32.82 ; 58.77,32.74 arc(58.72,32.76) 58.7,32.82 ; 58.68,30.69 U3.5 ; 58.68,30.69 arc(58.69,30.69) 58.7,30.68 ; 115.76,30.92 115.76,31.47 arc(115.64,32.07) 115.3,32.58 115.24,32.65 arc(114.66,33.04) 113.97,33.17 111.53,33.17 arc(110.77,33.02) 110.14,32.6 arc(109.71,31.96) 109.56,31.21 109.56,29.99 arc(109.67,29.47) 109.96,29.02 arc(110.26,28.58) 110.36,28.06 USB-C.A4_B9 ; 108.56,73.92 108.15,73.92 ; 58.7,30.68 arc(58.71,30.67) 58.71,30.66 58.71,28.15 arc(58.8,27.72) 59.04,27.36 arc(59.28,27) 59.36,26.58